# Altium PCB V5_CORE_V1.2.PcbDoc (part 1 of 3) (continued)
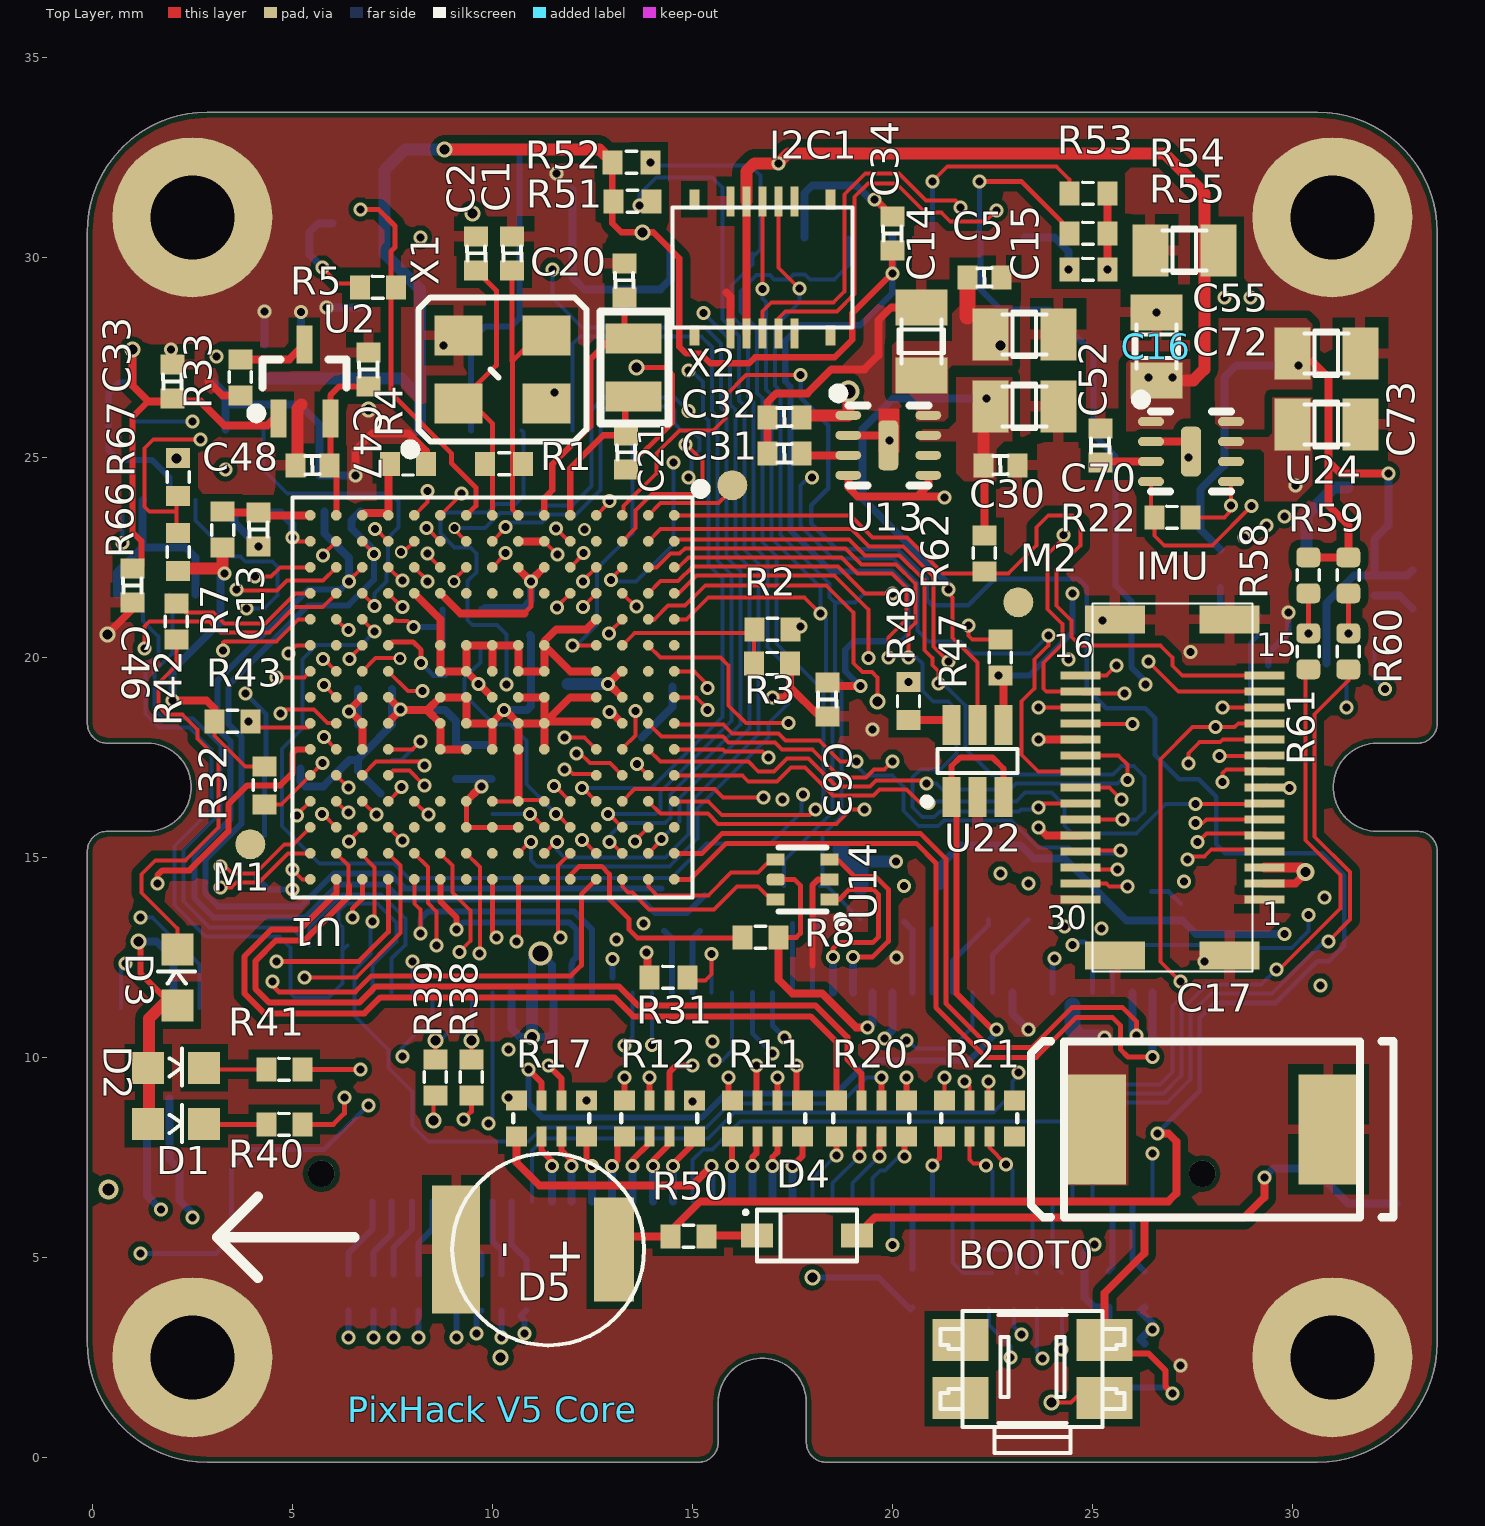
[diagram p0: Top Layer view]
## Design rules (kind name [scope] priority, off if disabled: settings)
Clearance [InPolygon vs OnLayer('Top Layer')                 +OnLayer('bottom Layer')] p1: gap=0.2
Clearance Clearance_1 [All] p2: gap=0.125
DiffPairsRouting [All] p1: maxlimit=0.254 minlimit=0.125 mostfreqgap=0.254 toplayer_minwidth=0.1 toplayer_maxwidth=0.381 toplayer_prefwidth=0.2 midlayer1_minwidth=0.1 midlayer1_maxwidth=0.381 midlayer1_prefwidth=0.2 midlayer2_minwidth=0.1 midlayer2_maxwidth=0.381 midlayer2_prefwidth=0.2 midlayer3_minwidth=0.1 midlayer3_maxwidth=0.381 midlayer3_prefwidth=0.2 midlayer4_minwidth=0.1 midlayer4_maxwidth=0.381 midlayer4_prefwidth=0.2 bottomlayer_minwidth=0.1 bottomlayer_maxwidth=0.381 bottomlayer_prefwidth=0.2 maxuncoupledlength=12.7
PlaneClearance [All] p1: clearance=0.2
PlaneConnect [All] p1: planeconnectstyle=Direct reliefexpansion=0.508 reliefentries=4 reliefconductorwidth=0.254 reliefairgap=0.254
PolygonConnect [InNet('3V3')+InNet('MCU_3V3')+InNet('VBUS')+InNet('VDD_5V_IN')   +InNet('TF_3V3')    +InNet('IMU_3V3')  +InNet('VBAT') +InNet('IO1_3V3')  +InNet('VDD_5V_IN_IMU')  +OnMultiLayer] p1: connectstyle=Direct reliefconductorwidth=0.254 reliefentries=4 polygonreliefangle="90 Angle" airgapwidth=0.254
PolygonConnect PolygonConnect_1 [All] p2: connectstyle=Relief reliefconductorwidth=0.254 reliefentries=4 polygonreliefangle="90 Angle" airgapwidth=0.254
RoomDefinition 11_5V_RAIL_ADC [InComponentClass('11_5V_RAIL_ADC')] p1: confinementstyle=ConfineIn formatcopy=TRUE lockcomponents=FALSE outline 34.753,1.314 70.905,1.314 70.905,3.714 34.753,3.714
RoomDefinition 08_ONB_COMPASS [InComponentClass('08_ONB_COMPASS')] p2: confinementstyle=ConfineIn formatcopy=TRUE lockcomponents=FALSE outline 34.597,1.436 52.697,1.436 52.697,7.436 34.597,7.436
RoomDefinition 12_B_TO_B [InComponentClass('12_B_TO_B')] p3: confinementstyle=ConfineIn formatcopy=TRUE lockcomponents=FALSE outline 34.597,1.436 43.597,1.436 43.597,29.935 34.597,29.935
RoomDefinition 02_V5_IO1 [InComponentClass('02_V5_IO1')] p4: confinementstyle=ConfineIn formatcopy=TRUE lockcomponents=FALSE outline 34.665,9.9 64.764,9.9 64.764,22.346 34.665,22.346
RoomDefinition 07_V5_LED [InComponentClass('07_V5_LED')] p5: confinementstyle=ConfineIn formatcopy=TRUE lockcomponents=FALSE outline -69.602,-57.664 -18.802,-57.664 -18.802,-32.264 -69.602,-32.264
RoomDefinition IMU_CON [InComponentClass('IMU_CON')] p6: confinementstyle=ConfineIn formatcopy=TRUE lockcomponents=FALSE outline 34.597,1.436 40.797,1.436 40.797,12.336 34.597,12.336
RoomDefinition 10_CAN_BUS [InComponentClass('10_CAN_BUS')] p7: confinementstyle=ConfineIn formatcopy=TRUE lockcomponents=FALSE outline 34.665,90.926 55.874,90.926 55.874,104.007 34.665,104.007
RoomDefinition 09_Power_LDO [InComponentClass('09_Power_LDO')] p8: confinementstyle=ConfineIn formatcopy=TRUE lockcomponents=FALSE outline 34.538,84.83 157.093,84.83 157.093,89.783 34.538,89.783
RoomDefinition 04_USB [InComponentClass('04_USB')] p9: confinementstyle=ConfineIn formatcopy=TRUE lockcomponents=FALSE outline 34.665,43.936 47.619,43.936 47.619,56.763 34.665,56.763
RoomDefinition 03_V5_TF_card [InComponentClass('03_V5_TF_card')] p10: confinementstyle=ConfineIn formatcopy=TRUE lockcomponents=FALSE outline 34.665,23.616 83.941,23.616 83.941,42.793 34.665,42.793
RoomDefinition 01_V5_SYS [InComponentClass('01_V5_SYS')] p11: confinementstyle=ConfineIn formatcopy=TRUE lockcomponents=FALSE outline 34.538,1.518 125.216,1.518 125.216,8.63 34.538,8.63
RoutingVias [All] p1: holewidth=0.711 width=1.27 viastyle="Through Hole" minholewidth=0.711 minwidth=1.27 maxholewidth=0.711 maxwidth=1.27
SolderMaskExpansion [All] p1: expansion=0.102
Width [All] p1: maxlimit=1 minlimit=0.1 preferedwidth=0.125 minimp=50.000000 maximp=50.000000 favimp=50.000000
27 further rules are at their usual default settings.

## Classes and differential pairs
component class 11_5V_RAIL_ADC: R13 R14 R63 R64 R66 R67 R68 R69 R71 R72 R73 R74
component class 01_V5_SYS: BOOT0 C1 C2 C3 C4 C5 C6 C7 C8 C9 C10 C11 C13 C22 C46 C47 C48 D4 D5 M1 M2 R1 R2 R3 R4 R5 R6 R7 R33 R50 R75 R76 TP1 U2 U5 U17 X1
component class 03_V5_TF_card: C62 C63 R49 R51 R52 R53 R54 R55 TF U3
component class 04_USB: R8 U14
component class 07_V5_LED: D1 D2 D3 R40 R41 R42
component class 09_Power_LDO: C14 C15 C16 C17 C30 C31 C32 C33 C34 C52 C54 C55 C69 C70 C71 C72 C73 R22 U13 U24
component class 10_CAN_BUS: R45 R46 U20 U21
component class IMU_CON: I2C1 IMU "PixHack V5 Core"
component class 02_V5_IO1: C20 C21 R31 R32 R43 R70 U1 X2
component class 12_B_TO_B: R9 R10 R11 R12 R15 R16 R17 R19 R20 R21 R23 R24 R25 R26 R27 R28 R29 R30 R34 R35 R36 R37 R38 R39 R44 R47 R48 R57 R58 R59 R60 R61 R62 R65 U22 U$9001
component class 08_ONB_COMPASS: C18 C19 R18 R56 U4

## Components (designator, comment, footprint, x,y, rotation, side; value= is the part's Value field where it differs from the comment)
BOOT0 "EVQ-P7J01P" EVQ-P7J01P 23.5,2.175 r0 top
C1 "8PF" SC0402 10.5,30.1 r270 top
C2 "8PF" SC0402 9.6,30.1 r270 top
C3 "0402C2.2UF" 0402C 7.072,17.429 r180 bottom
C4 "0402C2.2UF" 0402C 9.485,15.986 r180 bottom
C5 "0402C100NF" 0402C 22.3,29.5 r180 top
C6 "0402C100NF" 0402C 11.4,19.4 r0 bottom
C7 "0402C100NF" 0402C 7.072,19.207 r180 bottom
C8 "0402C100NF" 0402C 6,31.275 r270 bottom
C9 "0402C100NF" 0402C 9.985,17.383 r270 bottom
C10 "0402C100NF" 0402C 9.096,17.383 r270 bottom
C11 "0402C100NF" 0402C 7.072,18.318 r180 bottom
C13 "0402C100NF" 0402C 4.151,23.19 r90 top
C14 "47uf/16V" 0805CAP 20.7,27.9 r90 top
C15 "47uf/16V" 0805CAP 23.3,28.1 r0 top
C16 "47uf/16V" 0805CAP 26.575,27.775 r90 top
C17 "47UF 16V" 7343CAP 28,8.2 r0 top
C18 "0402C100NF" 0402C 33,20.8 r90 bottom
C19 "4.7UF" 0805CAP 31.4,25.1 r90 bottom
C20 "15PF" SC0402 13.3,29.425 r90 top
C21 "15PF" SC0402 13.35,25.125 r270 top
C22 "100NF" 0402cap 30.5,6.8 r270 bottom
C30 "100NF" 0402CAP 22.7,24.8 r0 top
C31 "100NF" 0402CAP 17.3,25.1 r180 top
C32 "100NF" 0402CAP 17.3,26 r0 top
C33 "100NF" 0402CAP 2,26.9 r270 top
C34 "100NF" 0402CAP 20,30.6 r270 top
C46 "0402C100NF" 0402C 1,21.8 r270 top
C47 "0402C10UF" 0402C 6.9,27.2 r270 top
C48 "0402C100NF" 0402C 5.5,24.8 r0 top
C52 "47uf/16V" 0805CAP 23.3,26.3 r0 top
C54 "47uf/16V" 0805CAP 6.6,28.1 r90 bottom
C55 "47uf/16V" 0805CAP 27.3,30.15 r180 top
C62 "0402C2.2UF" 0402C 4.3,27.4 r270 bottom
C63 "0402C100NF" 0402C 18.375,18.95 r90 top
C69 "100NF" 0402CAP 33,22.6 r90 bottom
C70 "100NF" 0402CAP 25.2,25.3 r90 top
C71 "100NF" 0402CAP 5.22,27.384 r270 bottom
C72 "47uf/16V" 0805CAP 30.85,27.625 r0 top
C73 "47uf/16V" 0805CAP 30.85,25.847 r0 top
D1 "0603-LED-BLUE" 0603-LED-blue 2.098,8.336 r0 top
D2 "0603-LED-GREEN" 0603-LED-Green 2.098,9.736 r0 top
D3 "0603_LED_RED" 0603-LED-RED 2.125,12 r90 top
D4 "4148" SOD323 17.85,5.325 r270 top
D5 "PWR1-2" PAS414R-S-VE5R 11.25,5.3 r90 top
I2C1 "axt510224" axt510224 16.75,29.75 r0 top locked
IMU "DF18B-30DS-0.4V" DF18B-30DS-0.4V 27,16.75 r90 top
M1 "MARK" MARK 3.95,15.325 r0 top
M2 "MARK" MARK 23.15,21.375 r0 top
"PixHack V5 Core" "CUAV" CUAV 10,1.2 r0 top
R1 "1MEG" SR0402 10.298,24.836 r0 top
R2 "0402R0R/DNP" 0402R#1 17,20.7 r0 top
R3 "10K" 0402R#1 16.997,19.842 r0 top
R4 "0402R0R" 0402R#1 7.898,24.836 r180 top
R5 "10K" 0402R#1 7.142,29.25 r180 top
R6 "10K" 0402R#1 11.4,20.5 r0 bottom
R7 "0R" 0402R#1 3.262,23.19 r270 top
R8 "1K" 0402R#1 16.7,13 r0 top
R9 "100R" 0402_4r 7.298,4.136 r180 bottom
R10 "100R" 0402_4r 9.998,4.136 r180 bottom
R11 "100R" 0402_4r 16.9,8.5 r180 top
R12 "100R" 0402_4r 14.2,8.5 r180 top
R13 "2M" 0402R#1 6.525,24.125 r90 bottom
R14 "2M" 0402R#1 5.675,24.125 r90 bottom
R15 "0402R1.5K" 0402R#1 25.4,2.2 r270 bottom
R16 "0402R1.5K" 0402R#1 26.3,2.2 r270 bottom
R17 "100R" 0402_4r 11.5,8.5 r180 top
R18 "0402R1K" 0402R#1 28.9,18.5 r270 bottom
R19 "100R" 0402_4r 23.323,4.136 r180 bottom
R20 "100R" 0402_4r 19.5,8.5 r180 top
R21 "100R" 0402_4r 22.2,8.5 r180 top
R22 "10K/NC" 0402R#1 27,23.5 r180 top
R23 "0402R1K" 0402R#1 15.348,13.611 r270 bottom
R24 "0402R1K" 0402R#1 14.448,13.611 r270 bottom
R25 "0402R1K" 0402R#1 21.198,13.836 r270 bottom
R26 "0402R1K" 0402R#1 20.298,13.836 r270 bottom
R27 "0402R100R" 0402R#1 23.4,13.9 r270 bottom
R28 "0402R100R" 0402R#1 26.3,4.2 r90 bottom
R29 "0402R1.5K" 0402R#1 18.25,15.2 r0 bottom
R30 "0402R1.5K" 0402R#1 19.2,13.8 r90 bottom
R31 "100K" R0402#1 14.4,12 r180 top
R32 "100K" R0402#1 4.3,16.8 r90 top
R33 "0R" 0402R#1 3.7,27 r90 top
R34 "10K" 0402R#1 22.4,13.9 r270 bottom
R35 "10K" 0402R#1 4.325,14.8 r270 bottom
R36 "10K" 0402R#1 4.75,17.225 r180 bottom
R37 "0402R100R" 0402R#1 18.198,13.836 r270 bottom
R38 "0402R100R" 0402R#1 9.475,9.5 r90 top
R39 "0402R100R" 0402R#1 8.575,9.5 r90 top
R40 "1K" 0402R#1 4.8,8.325 r180 top
R41 "1K" 0402R#1 4.8,9.7 r180 top
R42 "1K" 0402R#1 2.1,20.9 r270 top
R43 "10K" 0402R#1 3.5,18.4 r0 top
R44 "0402R100R" 0402R#1 17.298,13.836 r270 bottom
R45 "100K" R0402#1 5.9,12.8 r180 bottom
R46 "100K" R0402#1 1.7,7.2 r0 bottom
R47 "100R" 0402R#1 22.7,20 r270 top
R48 "1k" R0402#1 20.405,18.907 r270 top
R49 "1K" R0402#1 10.2,32.7 r0 bottom
R50 "220R" 0402r 14.9,5.525 r0 top
R51 "10K" R0402#1 13.5,31.4 r0 top
R52 "10K" R0402#1 13.475,32.375 r0 top
R53 "10K" R0402#1 24.9,31.6 r180 top
R54 "10K" R0402#1 24.9,30.6 r180 top
R55 "10K" R0402#1 24.9,29.7 r180 top
R56 "0402R1K" 0402R#1 28.2,22.2 r270 bottom
R57 "0402R100R" 0402R#1 25.4,4.2 r90 bottom
R58 "0402R1.5K" 0402R#2 30.4,22.05 r90 top
R59 "0402R1.5K" 0402R#2 31.4,22.05 r90 top
R60 "0402R100R" 0402R#2 31.4,20.15 r270 top
R61 "0402R100R" 0402R#2 30.4,20.15 r270 top
R62 "10K/NC" 0402R#1 22.3,22.6 r90 top
R63 "2M" 0402R#1 3.9,23.625 r180 bottom
R64 "2M" 0402R#1 26.475,13.7 r90 bottom
R65 "0402R100R" 0402R#1 20.5,4.2 r90 bottom
R66 "442K" R0402#1 2.148,22.636 r270 top
R67 "24.9K" R0402#1 2.148,24.511 r270 top
R68 "10K/DNP" R0402#1 9.348,21.286 r0 bottom
R69 "10K" R0402#1 9.348,20.311 r180 bottom
R70 "105k" R0402#2 8.825,19.075 r270 bottom
R71 "10K" R0402#1 3.875,24.65 r180 bottom
R72 "10K" R0402#1 3.875,25.55 r0 bottom
R73 "10K" R0402#1 1,26.25 r90 bottom
R74 "10K" R0402#1 1.875,26.25 r270 bottom
R75 "10K" R0402#1 31.625,6.8 r270 bottom
R76 "50K" 0402R#1 32.6,6.8 r270 bottom
TF "5033981892" 5033981892 20,25.3 r180 bottom locked
TP1 "BOOT0" TP0.75 13.5,25.7 r180 bottom
U1 "STM32F765IIK6" UFBGA176 10,19 r270 top locked
U2 "REF3333AIDCKT" SC70 5.3,26.9 r90 top
U3 "FM25V01-G" SO-8 10.1,28.4 r270 bottom
U4 "ist8310" LGA16_4X4 30.6,21.3 r90 bottom
U5 "TPS3808G33" SOT-23-6 31.6,9.9 r180 bottom
U13 "MIC5330-SSYML" MIC5530 19.9,25.3 r0 top
U14 "NUF2042XV6T1G" SOT563-6 17.8,14.4 r180 top
U20 "MAX3051EKA+T" SOT23-8 1.598,22.636 r0 bottom
U21 "MAX3051EKA+T" SOT23-8 1.598,10.036 r0 bottom
U22 "SN74LVC1G57DCKR" sot323-6 22.056,17.383 r90 top
U24 "MIC5330-SSYML" MIC5530 27.467,25.142 r0 top
U$9001 "DF17(3.0H)-80DS-0.5V(57)" DF17(3.0H)-80DS-0.5V(57) 16.75,9 r180 bottom locked
X1 "16MEG" 3225 10.25,27.2 r180 top
X2 "32.768KHZ" ABS06 13.55,27.35 r270 top

## Footprints (in the part's own frame and the unit in brackets; to place one, negate y for a bottom-side part, rotate by r counter-clockwise, add the part's x,y. Pads: shape width x height; smd on the part's side, far side on the other; paste and mask are expansions set on the pad)
0402_4r [mm]
  rect 0.525x0.5 smd: 1(-0.85,-0.425) 4(0.9,-0.425) 5(0.9,0.475) 8(-0.85,0.475)
  rect 0.25x0.5 smd: 2(-0.225,-0.425) 3(0.275,-0.425) 6(0.275,0.475) 7(-0.225,0.475)
  silkscreen extent -0.93,-0.08 0.97,0.12, body extent -0.97,-0.5 1.03,0.5, height 0.45
0402C [mm]
  rect 0.5x0.6 smd: 1(-0.425,0) 2(0.425,0)
  silkscreen extent -0.18,-0.23 0.17,0.23, body extent -0.5,-0.25 0.5,0.25, height 0.5
0402cap [mm]
  rect 0.5x0.6 smd: 1(-0.425,0) 2(0.425,0)
  silkscreen extent -0.18,-0.23 0.17,0.23, body extent -0.5,-0.25 0.5,0.25, height 0.5
0402CAP [mm]
  rect 0.5x0.6 smd: 1(-0.425,0) 2(0.425,0)
  silkscreen extent -0.18,-0.23 0.17,0.23, body extent -0.5,-0.25 0.5,0.25, height 0.5
0402R#1 [mm]
  rect 0.5x0.6 smd: 1(-0.45,0) 2(0.45,0)
  silkscreen extent -0.13,-0.27 0.14,0.28, body extent -0.51,-0.25 0.49,0.25, height 0.3
0402R#2 [mm]
  rrect50% 0.5x0.6 smd: 1(-0.45,0) 2(0.45,0)
  silkscreen extent -0.13,-0.27 0.14,0.28, body extent -0.51,-0.25 0.49,0.25, height 0.3
0402r [mm]
  rect 0.5x0.6 smd: 1(-0.45,0) 2(0.45,0)
  silkscreen extent -0.13,-0.27 0.14,0.28, body extent -0.51,-0.25 0.49,0.25, height 0.3
0603-LED-blue [mm]
  rect 0.8x0.8 smd: 1(-0.7,0) 2(0.7,0)
  silkscreen extent -0.16,-0.45 0.15,0.47, body extent -0.75,-0.4 0.85,0.4, height 0.8
0603-LED-Green [mm]
  rect 0.8x0.8 smd: 1(-0.7,0) 2(0.7,0)
  silkscreen extent -0.16,-0.44 0.15,0.48, body extent -0.83,-0.38 0.77,0.42, height 0.6
0603-LED-RED [mm]
  rect 0.8x0.8 smd: 1(-0.7,0) 2(0.7,0)
  silkscreen extent -0.16,-0.44 0.15,0.48, body extent -0.81,-0.38 0.81,0.42, height 0.6
0805CAP [mm]
  rect 0.9x1.3 smd: 1(-0.85,-0.025) 2(0.85,-0.025)
  silkscreen extent -0.55,-0.6 0.55,0.55, body extent -1,-0.62 1,0.58, height 1.2
3225 [mm]
  rect 1.2x1 smd: 1(1.1,0.85) 2(-1.1,0.85) 3(-1.1,-0.85) 4(1.1,-0.85)
  silkscreen extent -2.1,-1.8 2.4,2.1, body extent -1.63,-1.24 1.57,1.26, height 0.6
7343CAP [mm]
  rect 1.5x2.75 smd: A(-2.903,0) C(2.903,0)
  silkscreen extent -4.53,-2.2 4.53,2.2, body extent -3.63,-2.12 3.67,2.18, height 2.25
5033981892 [mm]
  rect 0.7x1.1 smd: 1(-3.3,5) 2(-2.2,5) 3(-1.1,5) 4(0,5) 5(1.1,5) 6(2.2,5) 7(3.3,5) 8(4.4,5)
  rect 1x3 smd: 6(-7.25,-6.025)
  rect 1.25x2 smd: 6(-7.1,5.2)
  rect 1x2.5 smd: 6(5.5,-6.025)
  rect 0.75x3 smd: 6(5.55,4.775)
  rect 0.7x0.9 smd: 9(-5.1,-7.4) 10(-0.8,-7.4)
  silkscreen extent -7.54,-7.58 5.74,9.5, body extent -7.45,-7.52 5.65,6.53, height 1.26
ABS06 [mm]
  rect 0.75x1.4 smd: 1(0.825,-0.025) 2(-0.625,-0.025)
  silkscreen extent -1.3,-0.85 1.5,0.85, body extent -0.9,-0.63 1.1,0.6, height 1
axt510224 [mm]
  rect 0.25x0.5 smd: 0(-1.7,-1.7) 0(-1.7,1.7) 0(1.7,-1.7) 0(1.7,1.7)
  rect 0.2x0.75 smd: 1(-0.8,-1.65) 2(-0.4,-1.65) 3(0,-1.65) 4(0.4,-1.65) 5(0.8,-1.65) 6(0.8,1.65) 7(0.4,1.65) 8(0,1.65) 9(-0.4,1.65) 10(-0.8,1.65)
  silkscreen extent -2.25,-1.5 2.25,1.5, body extent -2.25,-1.82 2.25,1.78, height 1.17
CUAV [mm]
DF17(3.0H)-80DS-0.5V(57) [mil] "DF17(3.0H)-80DS-0.5V(57)"
  rrect100% 10x44 smd: 1(-383.94,102.68)
  rect 10x44 smd: 2(-383.94,-102.68) 3(-364.25,102.68) 4(-364.25,-102.68) 5(-344.57,102.68) 6(-344.57,-102.68) 7(-324.88,102.68) 8(-324.88,-102.68) 9(-305.2,102.68) 10(-305.2,-102.68) 11(-285.51,102.68) 12(-285.51,-102.68) 13(-265.83,102.68) 14(-265.83,-102.68) 15(-246.14,102.68) 16(-246.14,-102.68) 17(-226.46,102.68) 18(-226.46,-102.68) 19(-206.77,102.68) 20(-206.77,-102.68) 21(-187.09,102.68) 22(-187.09,-102.68) 23(-167.4,102.68) 24(-167.4,-102.68) 25(-147.72,102.68) 26(-147.72,-102.68) 27(-128.03,102.68) 28(-128.03,-102.68) 29(-108.35,102.68) 30(-108.35,-102.68) 31(-88.66,102.68) 32(-88.66,-102.68) 33(-68.98,102.68) 34(-68.98,-102.68) 35(-49.29,102.68) 36(-49.29,-102.68) 37(-29.61,102.68) 38(-29.61,-102.68) 39(-9.92,102.68) 40(-9.92,-102.68) 41(9.92,102.68) 42(9.92,-102.68) 43(29.92,102.68) 44(29.92,-102.68) 45(49.92,102.68) 46(49.92,-102.68) 47(68.92,102.68) 48(68.92,-102.68) 49(88.92,102.68) 50(88.92,-102.68) 51(108.92,102.68) 52(108.92,-102.68) 53(127.92,102.68) 54(127.92,-102.68) 55(147.92,102.68) 56(147.92,-102.68) 57(167.92,102.68) 58(167.92,-102.68) 59(187.92,102.68) 60(187.92,-102.68) 61(206.92,102.68) 62(206.92,-102.68) 63(226.92,102.68) 64(226.92,-102.68) 65(246.92,102.68) 66(246.92,-102.68) 67(265.92,102.68) 68(265.92,-102.68) 69(285.92,102.68) 70(285.92,-102.68) 71(305.92,102.68) 72(305.92,-102.68) 73(324.92,102.68) 74(324.92,-102.68) 75(344.92,102.68) 76(344.92,-102.68) 77(364.92,102.68) 78(364.92,-102.68) 79(383.92,102.68) 80(383.92,-102.68)
  rect 56x83 smd: GND(-472.52,-0.32) GND(472.92,-0.32)
  round 25.98 hole 26 unplated: hole-2(-433.15,-75.12) hole-2(433.92,-75.12)
  silkscreen extent -492,-95 493,95, body extent -492,-113 492,112, height 118
DF18B-30DS-0.4V [mm]
  rect 0.7x1.5 smd: 1(-4.2,-1.43) 1(-4.2,1.43) 1(4.2,-1.43) 1(4.2,1.43)
  rect 0.2x1 smd: 1(-2.8,-2.3) 2(-2.4,-2.3) 3(-2,-2.3) 4(-1.6,-2.3) 5(-1.2,-2.3) 6(-0.8,-2.3) 7(-0.4,-2.3) 8(0,-2.3) 9(0.4,-2.3) 10(0.8,-2.3) 11(1.2,-2.3) 12(1.6,-2.3) 13(2,-2.3) 14(2.4,-2.3) 15(2.8,-2.3) 16(2.8,2.3) 17(2.4,2.3) 18(2,2.3) 19(1.6,2.3) 20(1.2,2.3) 21(0.8,2.3) 22(0.4,2.3) 23(0,2.3) 24(-0.4,2.3) 25(-0.8,2.3) 26(-1.2,2.3) 27(-1.6,2.3) 28(-2,2.3) 29(-2.4,2.3) 30(-2.8,2.3)
  silkscreen extent -4.6,-2 4.6,2, body extent -4.6,-2.5 4.6,2.5, height 1.45
EVQ-P7J01P [mm]
  rect 1.4x1.05 smd: A1(-1.799,0.763) A2(1.801,0.763) A4(1.801,-0.687) B3(-1.799,-0.687)
  silkscreen extent -2.3,-2.06 2.3,1.49, body extent -2.35,-2.05 2.35,1.5, height 1.35
LGA16_4X4 [mm] "QFN, 16-Leads, Body 3.00x3.00mm, Pitch 0.50mm, IPC Medium Density"
  oval 0.6x0.25 smd: 1(-1.45,0.75) 2(-1.45,0.25) 3(-1.45,-0.25) 9(1.45,-0.75) 10(1.45,-0.25) 11(1.45,0.25) 12(1.45,0.75)
  oval 0.5x0.25 smd: 4(-1.5,-0.75)
  oval 0.25x0.6 smd: 5(-0.75,-1.45) 6(-0.25,-1.45) 7(0.25,-1.45) 8(0.75,-1.45) 13(0.75,1.45) 14(0.25,1.45) 15(-0.25,1.45) 16(-0.75,1.45)
  silkscreen extent -2.02,-1.65 1.65,2.02, body extent -1.6,-1.6 1.6,1.6, height 1
MARK [mm]
  round 0.75 smd: 1(0,0)
MIC5530 [mm] "QFN, 8-Leads, Body 2.0x2.0mm (max), Pitch 0.00mm, Pitch1 0.50mm, IPC Medium Density"
  oval 0.65x0.225 smd: 1(-1,0.75) 2(-1,0.25) 3(-1,-0.25) 4(-1,-0.75) 5(1,-0.75) 6(1,-0.25) 7(1,0.25) 8(1,0.75)
  rrect50% 0.5x1.25 smd: 2(0,0)
  silkscreen extent -1.37,-1 1,1.42, body extent -1,-1 1,1, height 0.85
PAS414R-S-VE5R [mm]
  rect 2.6x1 smd: 1(-0.1,-1.799)
  rect 3.2x1.2 smd: 2(-0.1,2.151)
  silkscreen extent -2.5,-2.55 2.3,2.25
R0402#1 [mm]
  rect 0.5x0.6 smd: 1(-0.475,0) 2(0.475,0)
  silkscreen extent -0.13,-0.27 0.14,0.28, body extent -0.51,-0.25 0.49,0.25, height 0.3
R0402#2 [mm]
  rect 0.4x0.6 smd: 1(-0.475,0) 2(0.475,0)
  silkscreen extent -0.13,-0.27 0.14,0.28, body extent -0.51,-0.25 0.49,0.25, height 0.3
SC70 [mm]
  rect 0.95x0.4 smd: 1(-0.925,0.65) 2(-0.925,-0.65) 3(0.925,0)
  silkscreen extent -0.92,-1.05 0.55,1.32, body extent -1.15,-1.05 1.15,1.05, height 1.1
SC0402 [mm]
  rect 0.5x0.6 smd: 1(-0.425,-0.004) 2(0.425,-0.004)
  silkscreen extent -0.17,-0.23 0.18,0.23, body extent -0.5,-0.25 0.5,0.25, height 0.5
SO-8 [mm] "SOIC, 8-Leads, Body 4.90x4.00mm, Pitch 1.27mm, IPC Medium Density"
  rrect50% 1.45x0.6 smd: 1(-2.725,1.905) 2(-2.725,0.635) 3(-2.725,-0.635) 4(-2.725,-1.905) 5(2.725,-1.905) 6(2.725,-0.635) 7(2.725,0.635) 8(2.725,1.905)
  silkscreen extent -2.85,-2.5 1.6,2.93, body extent -3,-2.5 3,2.5, height 1.75
SOD323 [mm]
  rect 0.6x0.8 smd: A(-0.217,1.264) K(-0.217,-1.236)
  silkscreen extent -0.87,-1.56 0.43,1.26, body extent -0.87,-1.28 0.48,1.32, height 1.1
SOT23-8 [mil]
  rect 17x52 smd: 1(-38.46,-51.13) 2(-12.87,-51.13) 3(12.93,-51.13) 4(38.93,-51.13) 5(38.93,42.13) 6(12.93,42.13) 7(-12.87,42.13) 8(-38.46,42.13)
  silkscreen extent -59,-44 60,35, body extent -59,-60 59,50, height 44
sot323-6 [mm]
  rect 1x0.45 smd mask+0.051: 1(-0.875,0.575) 2(-0.875,-0.075) 3(-0.875,-0.725) 4(0.925,-0.725) 5(0.925,-0.075) 6(0.925,0.575)
  silkscreen extent -1.04,-1.07 0.32,1.25, body extent -1.03,-1.1 1.07,0.9, height 0.9
SOT563-6 [mm]
  rect 0.45x0.3 smd: 1(-0.635,0.459) 2(-0.635,-0.041) 3(-0.635,-0.541) 4(0.715,-0.541) 6(0.715,0.459)
  rrect50% 0.45x0.3 smd: 5(0.715,-0.041)
  silkscreen extent -1,-0.84 0.64,1.05, body extent -0.76,-0.85 0.86,0.75, height 0.58
SOT-23-6 [mm] "SOT-23/SC-74A; 5 Leads; Body 3.1 x 3 mm, inc. leads (LxW max)"
  rect 0.55x1.45 smd: 1(0.95,1.075) 2(0,1.075) 3(-0.95,1.075) 4(-0.95,-1.075) 5(0,-1.075) 6(0.95,-1.075)
  silkscreen extent -1.55,-0.9 1.72,1.88, body extent -1.4,-1.19 1.4,1.23, height 1.08
SR0402 [mm]
  rect 0.5x0.6 smd: 1(-0.475,0) 2(0.475,0)
  silkscreen extent -0.13,-0.27 0.14,0.28, body extent -0.51,-0.25 0.49,0.25, height 0.3
TP0.75 [mm]
  round 0.75 smd: 0(0,0)
UFBGA176 [mm]
  round 0.27 smd: A1(-4.55,4.55) A2(-3.9,4.55) A3(-3.25,4.55) A4(-2.6,4.55) A5(-1.95,4.55) A6(-1.3,4.55) A7(-0.65,4.55) A8(0,4.55) A9(0.65,4.55) A10(1.3,4.55) A11(1.95,4.55) A12(2.6,4.55) A13(3.25,4.55) A14(3.9,4.55) A15(4.55,4.55) B1(-4.55,3.9) B2(-3.9,3.9) B3(-3.25,3.9) B4(-2.6,3.9) B5(-1.95,3.9) B6(-1.3,3.9) B7(-0.65,3.9) B8(0,3.9) B9(0.65,3.9) B10(1.3,3.9) B11(1.95,3.9) B12(2.6,3.9) B13(3.25,3.9) B14(3.9,3.9) B15(4.55,3.9) C1(-4.55,3.25) C2(-3.9,3.25) C3(-3.25,3.25) C4(-2.6,3.25) C5(-1.95,3.25) C6(-1.3,3.25) C7(-0.65,3.25) C8(0,3.25) C9(0.65,3.25) C10(1.3,3.25) C11(1.95,3.25) C12(2.6,3.25) C13(3.25,3.25) C14(3.9,3.25) C15(4.55,3.25) D1(-4.55,2.6) D2(-3.9,2.6) D3(-3.25,2.6) D4(-2.6,2.6) D5(-1.95,2.6) D6(-1.3,2.6) D7(-0.65,2.6) D8(0,2.6) D9(0.65,2.6) D10(1.3,2.6) D11(1.95,2.6) D12(2.6,2.6) D13(3.25,2.6) D14(3.9,2.6) D15(4.55,2.6) E1(-4.55,1.95) E2(-3.9,1.95) E3(-3.25,1.95) E4(-2.6,1.95) E12(2.6,1.95) E13(3.25,1.95) E14(3.9,1.95) E15(4.55,1.95) F1(-4.55,1.3) F2(-3.9,1.3) F3(-3.25,1.3) F4(-2.6,1.3) F6(-1.3,1.3) F7(-0.65,1.3) F8(0,1.3) F9(0.65,1.3) F10(1.3,1.3) F12(2.6,1.3) F13(3.25,1.3) F14(3.9,1.3) F15(4.55,1.3) G1(-4.55,0.65) G2(-3.9,0.65) G3(-3.25,0.65) G4(-2.6,0.65) G6(-1.3,0.65) G7(-0.65,0.65) G8(0,0.65) G9(0.65,0.65) G10(1.3,0.65) G12(2.6,0.65) G13(3.25,0.65) G14(3.9,0.65) G15(4.55,0.65) H1(-4.55,0) H2(-3.9,0) H3(-3.25,0) H4(-2.6,0) H6(-1.3,0) H7(-0.65,0) H8(0,0) H9(0.65,0) H10(1.3,0) H12(2.6,0) H13(3.25,0) H14(3.9,0) H15(4.55,0) J1(-4.55,-0.65) J2(-3.9,-0.65) J3(-3.25,-0.65) J4(-2.6,-0.65) J6(-1.3,-0.65) J7(-0.65,-0.65) J8(0,-0.65) J9(0.65,-0.65) J10(1.3,-0.65) J12(2.6,-0.65) J13(3.25,-0.65) J14(3.9,-0.65) J15(4.55,-0.65) K1(-4.55,-1.3) K2(-3.9,-1.3) K3(-3.25,-1.3) K4(-2.6,-1.3) K6(-1.3,-1.3) K7(-0.65,-1.3) K8(0,-1.3) K9(0.65,-1.3) K10(1.3,-1.3) K12(2.6,-1.3) K13(3.25,-1.3) K14(3.9,-1.3) K15(4.55,-1.3) L1(-4.55,-1.95) L2(-3.9,-1.95) L3(-3.25,-1.95) L4(-2.6,-1.95) L12(2.6,-1.95) L13(3.25,-1.95) L14(3.9,-1.95) L15(4.55,-1.95) M1(-4.55,-2.6) M2(-3.9,-2.6) M3(-3.25,-2.6) M4(-2.6,-2.6) M5(-1.95,-2.6) M6(-1.3,-2.6) M7(-0.65,-2.6) M8(0,-2.6) M9(0.65,-2.6) M10(1.3,-2.6) M11(1.95,-2.6) M12(2.6,-2.6) M13(3.25,-2.6) M14(3.9,-2.6) M15(4.55,-2.6) N1(-4.55,-3.25) N2(-3.9,-3.25) N3(-3.25,-3.25) N4(-2.6,-3.25) N5(-1.95,-3.25) N6(-1.3,-3.25) N7(-0.65,-3.25) N8(0,-3.25) N9(0.65,-3.25) N10(1.3,-3.25) N11(1.95,-3.25) N12(2.6,-3.25) N13(3.25,-3.25) N14(3.9,-3.25) N15(4.55,-3.25) P1(-4.55,-3.9) P2(-3.9,-3.9) P3(-3.25,-3.9) P4(-2.6,-3.9) P5(-1.95,-3.9) P6(-1.3,-3.9) P7(-0.65,-3.9) P8(0,-3.9) P9(0.65,-3.9) P10(1.3,-3.9) P11(1.95,-3.9) P12(2.6,-3.9) P13(3.25,-3.9) P14(3.9,-3.9) P15(4.55,-3.9) R1(-4.55,-4.55) R2(-3.9,-4.55) R3(-3.25,-4.55) R4(-2.6,-4.55) R5(-1.95,-4.55) R6(-1.3,-4.55) R7(-0.65,-4.55) R8(0,-4.55) R9(0.65,-4.55) R10(1.3,-4.55) R11(1.95,-4.55) R12(2.6,-4.55) R13(3.25,-4.55) R14(3.9,-4.55) R15(4.55,-4.55)
  silkscreen extent -5.33,-5 5,5.34, body extent -5,-5 5,5, height 0.6

## Part data
C1 C2 C20 C21: library part C
C5 C6 C7 C8 C9 C10 C11 C13 C18 C63: "50V 5%"
C14 C15 C16 C19 C52 C54 C55 C72 C73: library part Cap, "Capacitor"
C17: library part "Cap Pol1", "T520V476M016ATE"
C22: library part C1005X5R1H104K
C30 C31 C32 C33 C34 C69 C70 C71: library part Cap
C46 C47 C48: library part 0402C2.2UF
D4: library part STPS20M100SG-TR, "STPS20M100SG-TR"
D5: library part PWR1-2_1
R1 R50: library part R
R2 R3 R5 R6 R7 R33 R43: library part 0402R0R, "0402R0R 1%"
R4: "0402R0R 1%"
R8 R13 R14 R15 R16 R22 R29 R30 R58 R59 R63 R64: library part 0402R10K, "0402R10K 1%"
R9 R10 R11 R12 R17 R19 R20 R21: library part 0402-8R-4R
R18 R56: "0402R1K 1%"
R23 R24 R25 R26 R34 R35 R36 R40 R41 R42 R47 R62: library part 0402R100R, "0402R100R 1%"
R27 R28 R37 R38 R39 R44 R57 R60 R61 R65: "0402R100R 1%"
R31 R32 R45 R46 R48 R49 R66 R67 R68 R69 R70 R71 R72 R73 R74: library part Res2, "Resistor"
R51 R52 R53 R54 R55: library part RC0402FR-0749R9L
R75: library part RMCF0402FT4K99
R76: library part "Res Semi", "Semiconductor Resistor"
TP1: library part TP_0.75, "TP_0.75MM"
U3: library part Component_1
U5: library part TPS3808G09DBVR, "IC VOLT SUPERVISOR 0.9V SOT23-6"
U13 U24: library part MIC5530
U20 U21: library part MAX3051MAX3051EKA, "IC TXRX CAN 1MBPS SOT23-8"
U22: library part 74LVC1G57
U$9001: library part CON-DF17-80F
X1: library part X_B
X2: library part X_0

## Free pads (board coordinates)
  round 4 / inner round 2.5 / far side round 4 hole 2.1: 0(2.5,2.5) 0(2.5,31) 0(31,2.5) 0(31,31)
  round 0.75 smd: 2(16,24.3)

## Via types
v1: diameter 0.35, hole 0.2, Top Layer to Bottom Layer, tented both sides, 330 vias
v2: diameter 0.4, hole 0.25, Top Layer to Bottom Layer, tented both sides, 18 vias
v3: diameter 0.325, hole 0.2, Top Layer to Bottom Layer, tented both sides, 3 vias
v4: diameter 0.4, hole 0.2, Top Layer to Bottom Layer, tented both sides, 2 vias
v5: diameter 0.6, hole 0.4, Top Layer to Bottom Layer, tented both sides, 1 vias
v6: diameter 0.3, hole 0.2, Top Layer to Bottom Layer, tented both sides, 1 vias
v7: diameter 0.32, hole 0.2, Top Layer to Bottom Layer, tented both sides, 1 vias
v8: diameter 0.55, hole 0.35, Top Layer to Bottom Layer, tented both sides, 1 vias
v9: diameter 0.45, hole 0.25, Top Layer to Bottom Layer, tented both sides, 1 vias
v10: diameter 0.5, hole 0.3, Top Layer to Bottom Layer, tented both sides, 1 vias

## Nets (pads, with @x,y where several pads share a name; then routed paths per layer and width w, separated by ;. In a path a pad name is that pad's centre, name@x,y a point inside that pad or via, vN(x,y) a via of type N, cw(c..) or ccw(c..) an arc to the next point about the centre after c; other vN are vias at no path point)
3V3_SD_CARD_EN: R22.2 U1.J14 U24.4 | length 35.8
  Top Layer w0.1: U1.J14@9.35,15.1 9.69,14.76 9.69,12.615 v1(9.675,12.6) ; R22.2@26.467,23.583 U24.4@26.467,24.392 ; R22.2@26.55,23.5 26.55,23.05 26.8,22.8 28,22.8 v1(28.978,23.778)
  POWER w0.1: v1(9.675,12.6) 10.3,11.975 11.75,11.975 12.2,12.425 12.2,13.225 13.074,14.099 14.6,14.099 15.726,15.225 15.726,21.079 16.547,21.9 18.9,21.9 19.55,21.25 24.65,21.25 26.85,23.45 28.612,23.45 28.962,23.8 28.978,23.784 v1(28.978,23.778)
3V3_SENSORS_ADC: R34.2 U$9001.21 | length 2.2
  Bottom Layer w0.125: U$9001.21@21.507,11.616 21.507,12.407 22.4,13.3 R34.2@22.4,13.45
3V3_SPEKTRUM_POWER_EN: pad.2 U1.B1 | length 2.5
  Top Layer w0.1: U1.B1@13.9,23.55 14.21,23.86 15.66,23.86 15.9,24.1 pad.2@16,24.3
32KHZ_IN: C21.1 U1.E1 X2.1 | length 4
  Top Layer w0.154: U1.E1@11.95,23.55 11.95,24.725 12.775,25.55 C21.1@13.346,25.55 C21.1@13.525,25.729 ; C21.1@13.325,25.529 X2.1@13.325,26.325
32KHZ_OUT: C20.1 U1.F1 X2.2 | length 6.3
  Top Layer w0.154: U1.F1@11.3,23.55 11.3,23.975 11.5,24.175 11.5,24.825 12.45,25.775 12.45,27.45 13.304,28.304 C20.1@13.304,29
ADC1_SPARE_1_CHANNEL: R73.1 R74.2 U1.N5 U$9001.64 | length 59.5
  Top Layer w0.1: U1.N5@6.75,20.95 v1(7.061,20.639)
  S1 w0.1: v1(2.5,25.9) 2.175,25.9 1.663,25.388 1.663,24.41 2.588,23.485 2.588,20.96 2.772,20.775 3.487,20.775 3.637,20.625 4.911,20.625 5.386,21.1 6.6,21.1 v1(7.061,20.639) ; v1(17.763,16.575) 17.813,16.625 20.132,16.625 20.756,16.001 21.6,15.157 21.6,14.173 22.25,13.523 22.25,10 22.5,9.75 23.025,9.75 v1(23.15,9.625)
  Bottom Layer w0.1: R73.1@1,25.925 1.025,25.9 v1(2.5,25.9) ; v1@7.061,20.539 v1(7.061,20.639) 6.73,20.308 5.918,20.308 5.608,20.308 5.25,19.95 5.25,18.225 4.738,17.713 4.738,15.787 5.675,14.85 7.539,14.85 7.904,14.486 14.486,14.486 15.35,15.35 16.95,15.35 17.725,16.125 17.725,16.537 v1(17.763,16.575) ; U$9001.64@10.991,6.4 10.991,7.673 11.293,7.975 15.4,7.975 16.05,8.625 22.525,8.625 23,9.1 23,9.4 v1@23.225,9.625
ADC1_SPARE_2_CHANNEL: R71.1 R72.2 U1.N4 | length 8.1
  Top Layer w0.1: U1.N4@6.75,21.6 7.074,21.276 v1(7.05,21.276)
  Bottom Layer w0.1: R72.2@4.275,25.7 4.275,24.7 4.875,24.1 7.45,24.1 7.65,23.9 7.65,23.25 7.388,22.988 7.388,22.49 7.388,22.358 7.352,22.322 7.352,21.899 7.05,21.597 v1(7.05,21.276)
ADC_3V3_SENSORS: R34.1 U1.M3 | length 27.4
  Top Layer w0.1: U1.M3@7.4,22.25 7.733,21.917 v1(7.752,21.917)
  S1 w0.1: v1(7.752,21.917) 8.077,22.242 8.7,22.242 ; 8.57,22.25 9.237,22.25 11.762,19.725 12.238,19.725 12.438,19.925 13.661,19.925 13.986,20.25 14.95,20.25 14.951,20.251 15.8,20.251 15.801,20.25 16.168,20.25 16.243,20.175 18.149,20.175 19.3,21.326 19.3,21.395 19.955,22.05 22.15,22.05 23.45,20.75 23.45,19.618 23.593,19.475 24.018,19.475 24.325,19.168 24.325,17.925 24,17.6 22.8,17.6 22.5,17.3 22.5,14.8 v1(22.7,14.6)
ADC_SCALED_V5_CH: R35.1 R36.2 U1.M2 | length 14.8
  Top Layer w0.1: v1@7.067,23.233 U1.M2@7.4,22.9
  S2 w0.125: v1(3.825,19.1) 3.45,19.475 2.475,19.475 1.8,20.15 1.8,22 3.3,23.5 6.78,23.5 v1(7.073,23.208)
  Bottom Layer w0.125: v1(3.825,19.1) 4.337,18.588 R36.2@4.337,17.225 ; R35.1@4.1,15.35 4.3,15.55 R36.2@4.3,17.225
ALARM: R21.5 U$9001.24 | length 1.6
  Top Layer w0.125: v1(21,7.3) 21.175,7.475 R21.5@21.175,7.9
  Bottom Layer w0.125: U$9001.24@21.007,6.4 v1@21.007,7.3
ALARM_CHANNEL: R21.4 U1.B2 | length 25.2
  Top Layer w0.1: U1.B2@13.9,22.9 14.21,23.21 18.981,23.21 19.416,22.775 20.275,22.775 21.025,22.025 21.025,20.275 v1(21.4,19.9) ; R21.4@21.3,8.925 v1(21.3,9.5)
  S1 w0.1: v1(21.3,9.5) 21.3,9.405 21.773,8.932 23.132,8.932 23.975,9.775 23.975,11 22.55,12.425 22.55,13.541 21.825,14.266 21.825,19.498 21.5,19.823 21.5,19.9 v1(21.4,19.9)
AUX_BATT_CURRENT_SENS: R26.2 U$9001.25 | length 1.9
  Bottom Layer w0.15: R26.2@20.298,13.386 20.507,13.176 U$9001.25@20.507,11.616
AUX_BATT_VOLTAGE_SENS: R25.2 U$9001.23 | length 1.6
  Bottom Layer w0.15: U$9001.23@21.007,11.616 R25.2@21.007,13.195
AUX_CH1: R12.1 U1.P4 | length 44.5
  Top Layer w0.1: v1(1.3,20.225) 1.3,20.775 1.425,20.9 2.932,20.9 3.207,20.625 4.425,20.625 5.06,21.26 5.762,21.26 U1.P4@6.102,21.6
  Top Layer w0.15: v1(15,8.9) 15,8.975 R12.1@15.05,8.925
  S1 w0.1: v1(1.3,20.225) 1.875,20.225 2.7,19.4 2.7,18.05 3.063,17.688 3.063,15.627 2.223,14.787 2.213,14.787 2.2,14.775 2.2,7.356 4.263,5.294 4.263,2.14 5.452,0.95 8.186,0.95 8.511,1.275 11.164,1.275 11.937,2.048 11.937,5.366 12.434,5.863 14.513,5.863 15.138,6.488 15.138,7.141 15.137,7.431 ; v1(15,8.9) 15.138,8.762 15.138,7.431
AUX_CH2: R12.2 U1.A10 | length 17.2
  Top Layer w0.1: U1.A10@14.55,17.7 15.764,17.7 15.814,17.65 16.75,17.65 v1(16.9,17.5)
  Top Layer w0.15: R12.2@14.425,8.925 14.425,9.625 14.6,9.8 v1(15,9.8)
  S1 w0.15: v1(15,9.8) 15,9.77 15.27,9.5 15.72,9.05 17.75,9.05 18.1,9.4 18.1,10.8 17.075,11.825 17.075,14.725 15.85,15.95 15.85,17.15 16.2,17.5 v1(16.9,17.5)
AUX_CH3: R12.3 U1.R13 | length 34.3
  Top Layer w0.1: v1@3.2,14.9 3.5,14.6 4.075,14.6 4.8,15.325 5.025,15.325 U1.R13@5.45,15.75
  Top Layer w0.15: R12.3@13.925,8.925 v1(13.925,9.5)
  S1 w0.125: v1@3.118,14.856 2.7,14.438 2.7,7.546 4.775,5.471 4.775,3.964 4.762,3.951 4.762,2.329 5.654,1.437 7.984,1.437 8.346,1.8 11,1.8 11.45,2.25 11.45,6.55 11.1,6.9 11.1,8.3 12.213,9.413 12.787,9.413 13.062,9.138 13.15,9.138 13.45,9.137 13.773,9.138 13.925,9.289 v1(13.925,9.5)
  other v1: 3.2,14.775
AVDD: C13.2 R7.1 U1.R1 | length 2.2
  Top Layer w0.2: R7.1@3.287,23.615 C13.2@4.151,23.615 4.216,23.55 U1.R1@5.45,23.55
B1_CURRENT: R13.1 R24.1 U1.N2 | length 25.1
  Top Layer w0.1: U1.N2@6.75,22.9 7.072,22.578 v1(7.038,22.578)
  Bottom Layer w0.15: v1(7.038,22.578) 7.038,21.938 6.4,21.3 5.4,21.3 3.4,19.3 3.4,18.336 3.725,18.011 3.725,15.836 2.825,14.936 2.825,14.411 2.825,14.095 3.145,13.775 5.219,13.775 6.044,14.6 7.371,14.6 7.436,14.6 7.811,14.225 R24.1@14.237,14.225
  Bottom Layer w0.2: R13.1@6.7,23.65 6.475,23.425 6.475,23.225 7.102,22.598 7.082,22.578 v1(7.038,22.578)
B1_VOLTAGE: R14.1 R23.1 U1.N3 | length 26.6
  Top Layer w0.1: v1(6.417,21.898) 6.417,21.917 U1.N3@6.75,22.25
  Bottom Layer w0.15: v1(6.417,21.898) 6.22,21.7 5.411,21.7 3.125,19.414 3.125,18.222 3.45,17.897 3.45,15.95 2.55,15.05 2.55,14.297 2.55,13.981 3.031,13.5 5.333,13.5 6.158,14.325 7.322,14.325 7.697,13.95 13.725,13.95 14.064,13.611 14.873,13.611 R23.1@15.323,14.061
  Bottom Layer w0.2: R14.1@5.8,23.65 5.8,23.1 6.417,22.483 v1(6.417,21.898)
B2_CURRENT: R26.1 R63.1 U1.R2 | length 29.6
  Top Layer w0.1: v1(5,23) 5.1,22.9 U1.R2@5.45,22.9
  S2 w0.1: v1(5,23) 5,22.7 4.715,22.415 3.646,22.415 3.598,22.463 2.598,22.463 2.037,21.902 2.037,20.248 2.573,19.713 3.548,19.713 3.811,19.45 4.075,19.45 4.375,19.15 5.455,19.15 5.644,18.961 5.934,18.961 6.148,19.175 6.9,19.175 7.136,18.939 7.136,16.847 7.677,16.306 7.677,16.073 8.175,15.575 8.175,14.95 8.525,14.6 19.573,14.6 19.973,14.2 20.212,14.2 v1(20.298,14.286)
  Bottom Layer w0.2: R63.1@4.35,23.625 4.705,23.625 5,23.33 v1(5,23)
B2_VOLTAGE: R25.1 R64.1 U1.P2 | length 47.8
  Top Layer w0.1: v1(5.767,22.548) 5.767,22.567 U1.P2@6.1,22.9
  S1 w0.154: v1(5.767,22.548) 5.767,23.467 6.4,24.1 6.9,24.1 7.66,24.86 12.883,24.86 14.142,23.602 18.261,23.602 18.982,24.323 19.008,24.323 19.012,24.327 20.402,24.327 20.902,24.827 22.044,24.827 22.544,24.327 24.48,24.327 25.147,23.66 26.698,23.66 28.773,21.586 28.773,19.708 29.148,19.333 29.148,17.427 29.475,17.1 29.817,17.1 29.82,17.103 30.133,17.103 30.353,16.882 30.353,16.51 29.423,15.579 29.423,13.302 29.649,13.076 v1(29.801,13.076)
  Bottom Layer w0.2: R25.1@21.198,14.286 21.198,14.798 21.7,15.3 23.211,15.3 23.536,14.975 24.3,14.975 25.85,13.425 27.25,13.425 27.599,13.076 v1(29.801,13.076)
BATT1_CURRENT_PROT: R24.2 U$9001.49 | length 1.6
  Bottom Layer w0.15: R24.2@14.298,13.161 14.497,12.962 U$9001.49@14.497,11.616
BATT1_VOLTAGE_PROT: R23.2 U$9001.47 | length 1.6
  Bottom Layer w0.15: U$9001.47@15.005,11.616 15.005,12.967 R23.2@15.198,13.161
BLUE_LED: R40.1 U1.G15 U$9001.2 | length 34
  Top Layer w0.125: R40.1@5.25,8.325 6.025,8.325 6.3,8.6 6.3,9.05 v1(6.3,9) ; v1(10.6,12.9) v1@10.65,12.9 ; U1.G15@10.65,14.45 v1@10.65,12.9 ; v1@10.698,12.9 v1@10.65,12.9 ; v1@10.699,12.899 10.65,12.85 v1@10.65,12.9
  S2 w0.125: v1(6.3,9) 6.55,9 7.35,9.8 7.35,10.861 7.839,11.35 9.002,11.35 9.35,11.35 10.6,12.6 v1(10.6,12.9) v1@10.698,12.9 ; v1@10.65,12.85 v1@10.699,12.899
  POWER w0.125: v1(6.3,9) 6.463,9.163 7.363,9.163 7.7,8.825 7.7,8 8.213,7.487 10.087,7.487 10.762,8.162 17.762,8.162 18.3,8.7 23.5,8.7 24.1,8.1 24.9,8.1 25.488,7.512 26.427,7.512 v1(26.507,7.593)
  Bottom Layer w0.1: U$9001.2@26.507,6.4 v1(26.507,7.593)
BOOT0: BOOT0.A4 R6.2 TP1.0 U1.D6 | length 46
  Top Layer w0.1: v1(12,20.3) U1.D6@12.6,20.3 ; v2(23.975,1.375) 24.463,1.375 BOOT0.A4@25.001,1.913
  S1 w0.1: v1(12,20.3) 12.125,20.3 12.772,20.948 13.062,20.948 13.31,20.7 14.764,20.7 14.765,20.701 15.987,20.701 15.988,20.7 16.9,20.7 17.821,21.621 18.864,21.621 19.739,22.496 19.765,22.496 19.769,22.5 22.4,22.5 23.6,21.3 24.2,21.3 25.025,20.475 25.025,18.893 25.168,18.75 26.072,18.75 26.351,18.471 26.351,18.181 25.671,17.501 25.176,17.501 24.9,17.225 24.9,14.8 23.3,13.2 23.3,12.661 24.65,11.311 24.65,9.495 24.1,8.945 24.1,3.6 24.7,3 24.7,2.1 v2(23.975,1.375)
  Bottom Layer w0.1: v1(12,20.3) 12.1,20.3 12.617,20.817 12.617,22.217 13.5,23.1 TP1.0@13.5,25.7
BOOT1: R70.1 U1.M6 | length 2
  Top Layer w0.125: U1.M6@7.4,20.3 7.488,20.388 8.02,20.388 8.223,20.185 v1(8.223,19.851)
  Bottom Layer w0.125: v1(8.223,19.851) 8.524,19.55 R70.1@8.825,19.55
CAD0: R18.1 U4.5 | length 1.8
  Bottom Layer w0.125: R18.1@28.95,18.8 28.95,20.35 U4.5@29.15,20.55
CAD1: R56.2 U4.6 | length 1.6
  Bottom Layer w0.154: R56.2@28.2,21.75 28.2,21.2 28.35,21.05 U4.6@29.15,21.05
CAN_H_1: R45.1 U20.7 U$9001.79 | length 21.3
  Bottom Layer w0.1: U20.7@1.271,21.566 1.271,20.904 1.65,20.525 1.65,20.08 1.325,19.755 1.325,18.6 1.675,18.25 2.425,18.25 2.975,17.7 2.975,16.2 2.05,15.275 2.05,13.809 2.834,13.025 4.675,13.025 4.95,12.75 4.95,11.603 5.053,11.5 5.902,11.5 6.25,11.848 R45.1@6.25,12.675 ; R45.1@6.375,12.8 R45.1@6.25,12.675 ; U$9001.79@7.004,11.616 7.004,12.304 7.6,12.9 7.6,13.375 7.125,13.85 6.355,13.85 6.15,13.645 6.15,13.355 6.25,13.255 R45.1@6.25,12.675
CAN_H_2: R46.1 U21.7 U$9001.41 | length 25.3
  S2 w0.1: v1(1.712,6.2) 1.825,6.2 2.025,6.4 2.81,6.4 6.11,6.4 6.335,6.625 17.589,6.625 18,7.036 18,10.1 17.9,10.2 17.495,10.2 17.395,10.1 v1(17,10.1)
  Bottom Layer w0.125: U$9001.41@16.503,11.616 16.503,10.597 v1(17,10.1)
  Bottom Layer w0.2: U21.7@1.371,8.866 1.371,6.542 v1(1.712,6.2)
CAN_L_1: R45.2 U20.6 U$9001.77 | length 18.4
  Bottom Layer w0.1: U20.6@1.926,21.566 2,21.492 2,20.1 1.55,19.65 1.55,18.693 1.768,18.475 2.518,18.475 3.2,17.793 3.2,16.107 2.275,15.182 2.275,13.902 2.927,13.25 4.975,13.25 R45.2@5.425,12.8 5.425,13.238 6.262,14.075 7.218,14.075 7.825,13.468 7.825,12.807 7.486,12.468 U$9001.77@7.486,11.616
CAN_L_2: R46.2 U21.6 U$9001.39 | length 25
  S2 w0.125: v1(2.5,6) 2.512,5.988 2.733,5.988 2.908,6.163 6.208,6.163 6.433,6.388 17.688,6.388 18.237,6.937 18.237,10.252 17.989,10.5 v1(17.3,10.5)
  Bottom Layer w0.125: U$9001.39@17.007,11.616 17.007,10.793 v1(17.3,10.5) v1@17.4,10.5
  Bottom Layer w0.2: U21.6@1.926,8.966 1.926,7.449 R46.2@2.175,7.2 2.175,6.425 2.5,6.1 v1(2.5,6)
DRDY8: U1.R8
FMU-CH1-PROT: R12.8 U$9001.50 | length 1.7
  Top Layer w0.15: v1(14.522,7.286) 14.522,7.334 15.05,7.862 R12.8@15.05,8.025
  Bottom Layer w0.2: U$9001.50@14.522,6.4 v1@14.522,7.186
FMU-CH2-PROT: R12.7 U$9001.52 | length 1.7
  Top Layer w0.15: v1(14.014,7.286) 14.014,7.414 14.425,7.825 R12.7@14.425,8.025
  Bottom Layer w0.2: U$9001.52@14.014,6.4 v1@14.014,7.186
FMU-CH3-PROT: R12.6 U$9001.54 | length 1.7
  Top Layer w0.15: v1(13.506,7.286) 13.506,7.436 13.925,7.855 R12.6@13.925,8.025
  Bottom Layer w0.2: U$9001.54@13.506,6.4 v1@13.506,7.186
FMU-CH4-PROT: R12.5 U$9001.56 | length 1.7
  Top Layer w0.15: v1(12.998,7.286) 13.131,7.419 13.131,7.856 R12.5@13.3,8.025
  Bottom Layer w0.2: U$9001.56@12.998,6.4 v1@12.998,7.186
FMU-CH5-PROT: R17.8 U$9001.58 | length 1.6
  Top Layer w0.15: R17.8@12.35,8.025 12.357,8.018 12.357,7.419 v1(12.49,7.286)
  Bottom Layer w0.2: U$9001.58@12.49,6.4 v1@12.49,7.186
FMU-CH6-PROT: R17.7 U$9001.60 | length 1.6
  Top Layer w0.15: R17.7@11.725,8.025 11.725,7.675 11.982,7.418 v1(11.982,7.286)
  Bottom Layer w0.2: U$9001.60@11.982,6.4 v1@11.982,7.186
FMU-SWCLK: U1.A14 U$9001.3 | length 18.1
  Top Layer w0.125: U1.A14@14.55,15.1 15.246,15.1 15.746,15.6 20.7,15.6 21.338,14.962 21.338,11.35 22.437,10.25 23.496,10.25 24.496,11.25 25.75,11.25 26.1,10.9 v1(26.1,10.55)
  Bottom Layer w0.2: U$9001.3@26.002,11.608 26.002,10.648 v1(26.1,10.55) ; U$9001.3@26.007,11.608 U$9001.3@26.007,11.616